# KiCad board OLD_PCB.kicad_pcb (continued)
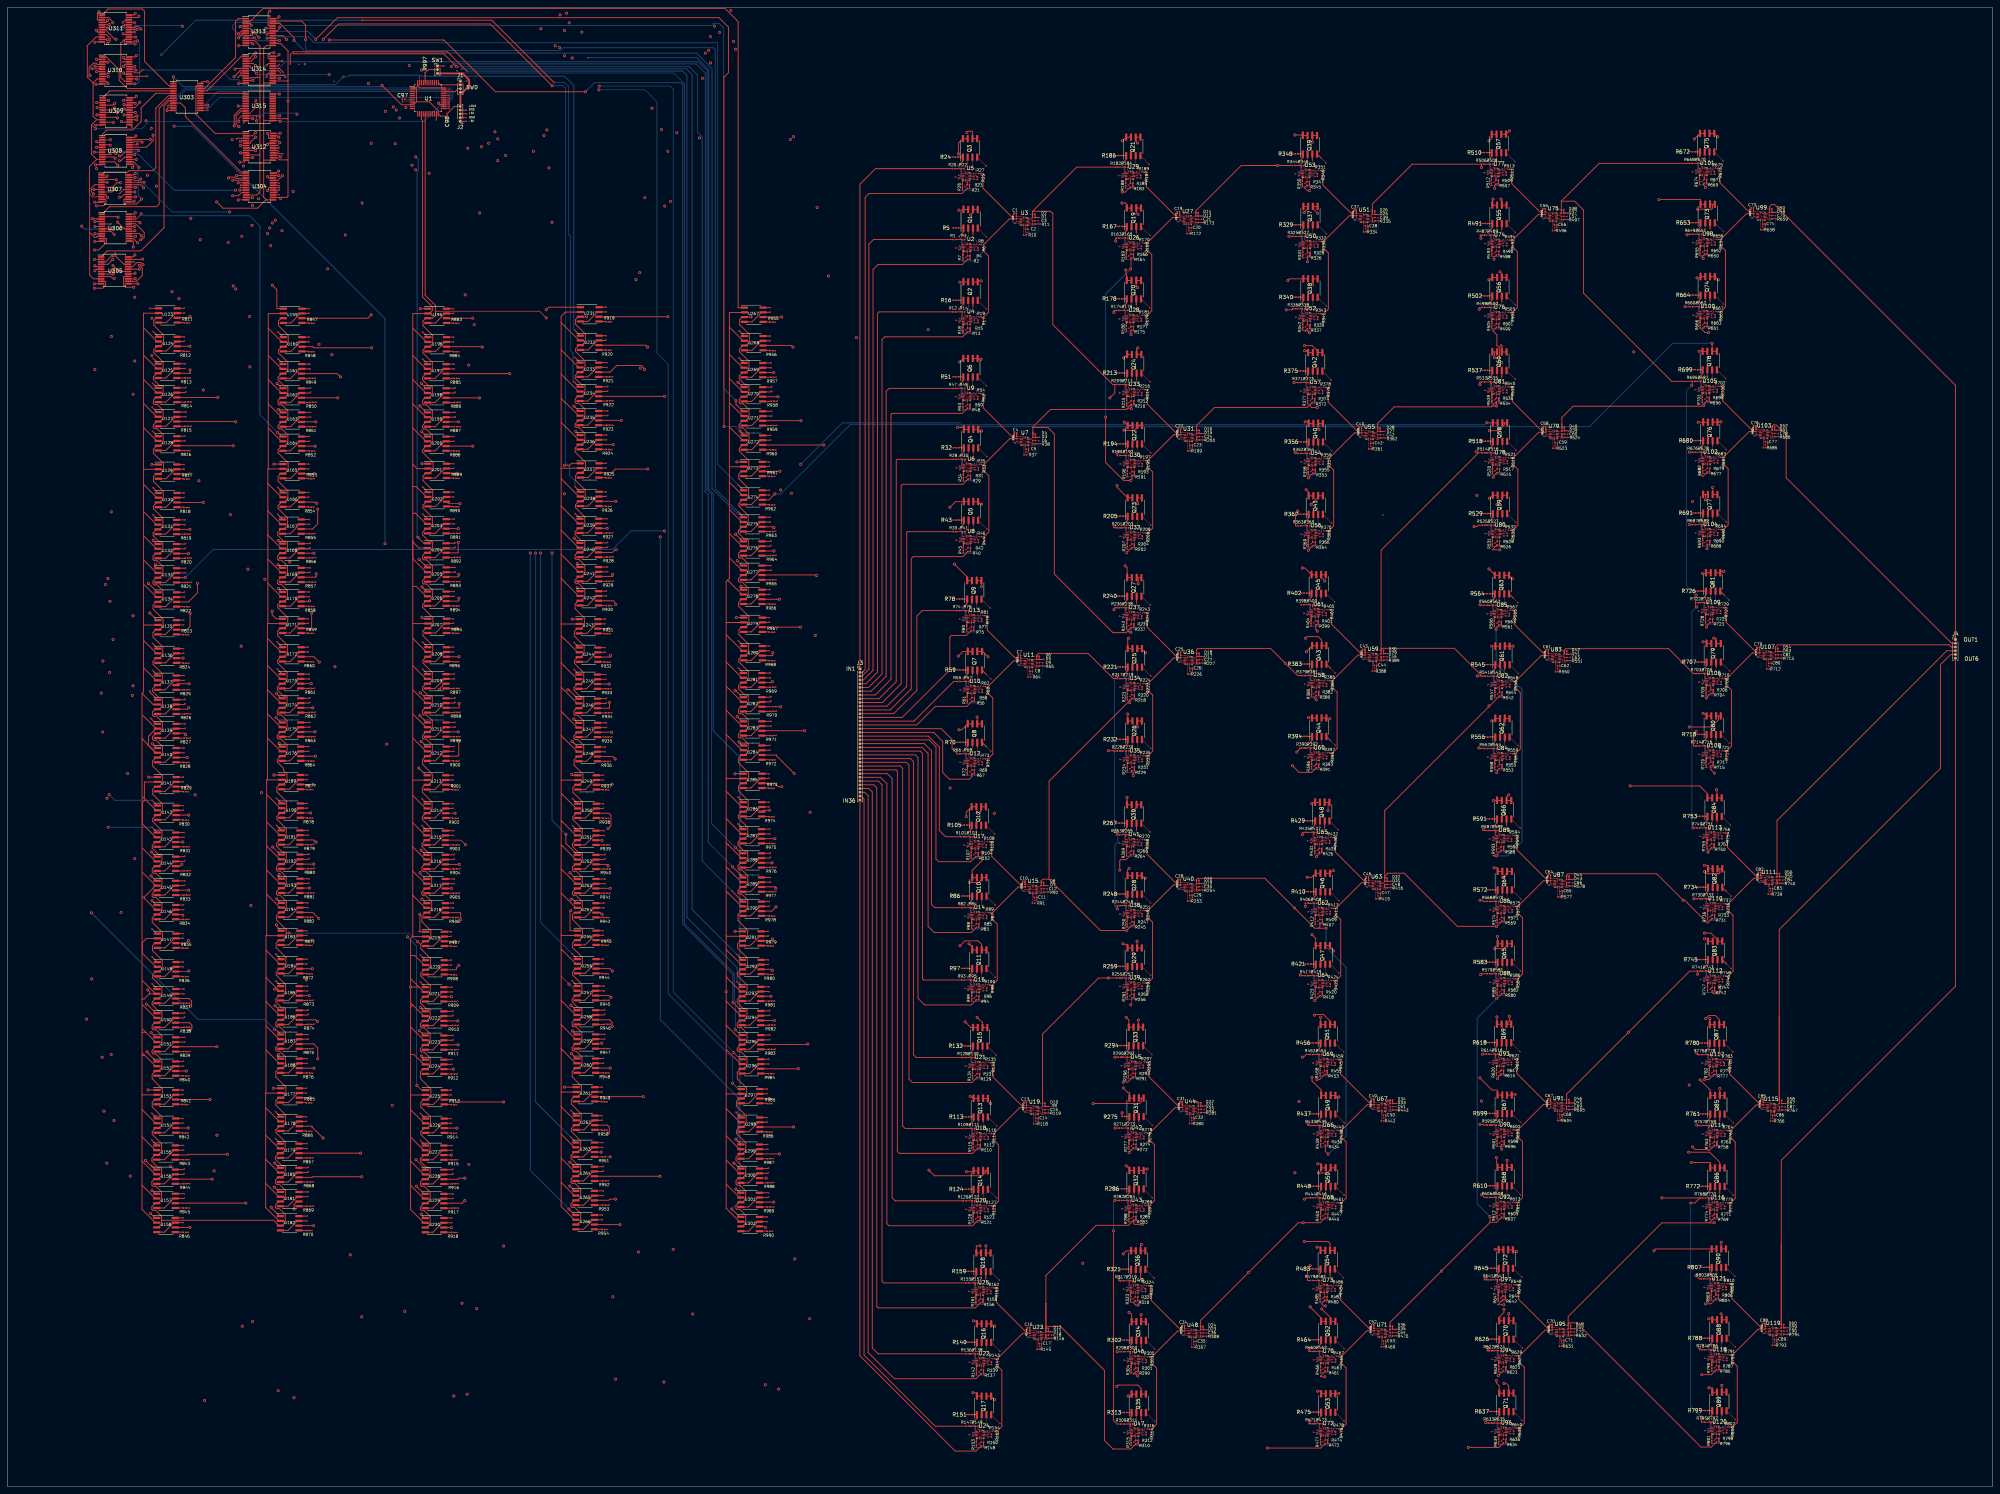
[diagram p0: board, top side]
## Placement (name value [footprint] x y rotation side) (continued)
R689  1k  [R_0201_0603Metric]  452.74 256.9 0 top
R690  1k  [R_0201_0603Metric]  454.19 252.58 180 top
R691  200k  [R_0201_0603Metric]  451.09 260 0 top
R692  200k  [R_0201_0603Metric]  456.63 254.36 90 top
R693  1k  [R_0201_0603Metric]  452.61 252.3 270 top
R694  1k  [R_0201_0603Metric]  457.82 255.56 0 top
R695  1k  [R_0201_0603Metric]  450.15 295.16 0 top
R696  1k  [R_0201_0603Metric]  454.04 289.88 0 top
R697  1k  [R_0201_0603Metric]  452.59 295.16 0 top
R698  1k  [R_0201_0603Metric]  454.04 290.84 180 top
R699  200k  [R_0201_0603Metric]  450.95 298.26 0 top
R700  200k  [R_0201_0603Metric]  456.48 292.62 90 top
R701  1k  [R_0201_0603Metric]  452.47 290.57 270 top
R702  1k  [R_0201_0603Metric]  457.67 293.82 0 top
R703  1k  [R_0201_0603Metric]  451.2 217.11 0 top
R704  1k  [R_0201_0603Metric]  455.1 211.83 0 top
R705  1k  [R_0201_0603Metric]  453.65 217.11 0 top
R706  1k  [R_0201_0603Metric]  455.1 212.79 180 top
R707  200k  [R_0201_0603Metric]  452 220.21 0 top
R708  200k  [R_0201_0603Metric]  457.54 214.57 90 top
R709  1k  [R_0201_0603Metric]  453.52 212.51 270 top
R710  1k  [R_0201_0603Metric]  458.73 215.76 0 top
R711  1k  [R_0201_0603Metric]  467.8 222.94 90 top
R712  1k  [R_0201_0603Metric]  470.06 218.31 0 top
R713  100k  [R_0201_0603Metric]  472.42 221.26 0 top
R714  1k  [R_0201_0603Metric]  451.2 197.79 0 top
R715  1k  [R_0201_0603Metric]  455.09 192.5 0 top
R716  1k  [R_0201_0603Metric]  453.64 197.78 0 top
R717  1k  [R_0201_0603Metric]  455.09 193.47 180 top
R718  200k  [R_0201_0603Metric]  452 200.89 0 top
R719  200k  [R_0201_0603Metric]  457.53 195.24 90 top
R720  1k  [R_0201_0603Metric]  453.52 193.19 270 top
R721  1k  [R_0201_0603Metric]  458.72 196.44 0 top
R722  1k  [R_0201_0603Metric]  451.05 236.05 0 top
R723  1k  [R_0201_0603Metric]  454.95 230.76 0 top
R724  1k  [R_0201_0603Metric]  453.5 236.05 0 top
R725  1k  [R_0201_0603Metric]  454.95 231.73 180 top
R726  200k  [R_0201_0603Metric]  451.85 239.15 0 top
R727  200k  [R_0201_0603Metric]  457.39 233.51 90 top
R728  1k  [R_0201_0603Metric]  453.37 231.45 270 top
R729  1k  [R_0201_0603Metric]  458.58 234.7 0 top
R730  1k  [R_0201_0603Metric]  451.59 156.96 0 top
R731  1k  [R_0201_0603Metric]  455.48 151.68 0 top
R732  1k  [R_0201_0603Metric]  454.03 156.96 0 top
R733  1k  [R_0201_0603Metric]  455.48 152.64 180 top
R734  200k  [R_0201_0603Metric]  452.39 160.06 0 top
R735  200k  [R_0201_0603Metric]  457.92 154.42 90 top
R736  1k  [R_0201_0603Metric]  453.9 152.36 270 top
R737  1k  [R_0201_0603Metric]  459.11 155.61 0 top
R738  1k  [R_0201_0603Metric]  468.18 162.79 90 top
R739  1k  [R_0201_0603Metric]  470.44 158.17 0 top
R740  100k  [R_0201_0603Metric]  472.8 161.11 0 top
R741  1k  [R_0201_0603Metric]  451.58 137.64 0 top
R742  1k  [R_0201_0603Metric]  455.47 132.35 0 top
R743  1k  [R_0201_0603Metric]  454.03 137.64 0 top
R744  1k  [R_0201_0603Metric]  455.47 133.32 180 top
R745  200k  [R_0201_0603Metric]  452.38 140.74 0 top
R746  200k  [R_0201_0603Metric]  457.91 135.1 90 top
R747  1k  [R_0201_0603Metric]  453.9 133.04 270 top
R748  1k  [R_0201_0603Metric]  459.11 136.29 0 top
R749  1k  [R_0201_0603Metric]  451.44 175.9 0 top
R750  1k  [R_0201_0603Metric]  455.33 170.61 0 top
R751  1k  [R_0201_0603Metric]  453.88 175.9 0 top
R752  1k  [R_0201_0603Metric]  455.33 171.58 180 top
R753  200k  [R_0201_0603Metric]  452.24 179 0 top
R754  200k  [R_0201_0603Metric]  457.77 173.36 90 top
R755  1k  [R_0201_0603Metric]  453.76 171.3 270 top
R756  1k  [R_0201_0603Metric]  458.96 174.55 0 top
R757  1k  [R_0201_0603Metric]  452.2 96.4 0 top
R758  1k  [R_0201_0603Metric]  456.09 91.12 0 top
R759  1k  [R_0201_0603Metric]  454.65 96.4 0 top
R760  1k  [R_0201_0603Metric]  456.09 92.08 180 top
R761  200k  [R_0201_0603Metric]  453 99.5 0 top
R762  200k  [R_0201_0603Metric]  458.53 93.86 90 top
R763  1k  [R_0201_0603Metric]  454.52 91.8 270 top
R764  1k  [R_0201_0603Metric]  459.73 95.05 0 top
R765  1k  [R_0201_0603Metric]  468.79 102.23 90 top
R766  1k  [R_0201_0603Metric]  471.05 97.6 0 top
R767  100k  [R_0201_0603Metric]  473.42 100.55 0 top
R768  1k  [R_0201_0603Metric]  452.19 77.08 0 top
R769  1k  [R_0201_0603Metric]  456.09 71.79 0 top
R770  1k  [R_0201_0603Metric]  454.64 77.07 0 top
R771  1k  [R_0201_0603Metric]  456.09 72.76 180 top
R772  200k  [R_0201_0603Metric]  453 80.18 0 top
R773  200k  [R_0201_0603Metric]  458.53 74.53 90 top
R774  1k  [R_0201_0603Metric]  454.51 72.48 270 top
R775  1k  [R_0201_0603Metric]  459.72 75.73 0 top
R776  1k  [R_0201_0603Metric]  452.05 115.34 0 top
R777  1k  [R_0201_0603Metric]  455.94 110.05 0 top
R778  1k  [R_0201_0603Metric]  454.5 115.34 0 top
R779  1k  [R_0201_0603Metric]  455.94 111.02 180 top
R780  200k  [R_0201_0603Metric]  452.85 118.44 0 top
R781  200k  [R_0201_0603Metric]  458.38 112.8 90 top
R782  1k  [R_0201_0603Metric]  454.37 110.74 270 top
R783  1k  [R_0201_0603Metric]  459.58 113.99 0 top
R784  1k  [R_0201_0603Metric]  452.73 36.51 0 top
R785  1k  [R_0201_0603Metric]  456.63 31.23 0 top
R786  1k  [R_0201_0603Metric]  455.18 36.51 0 top
R787  1k  [R_0201_0603Metric]  456.63 32.2 180 top
R788  200k  [R_0201_0603Metric]  453.53 39.61 0 top
R789  200k  [R_0201_0603Metric]  459.07 33.97 90 top
R790  1k  [R_0201_0603Metric]  455.05 31.92 270 top
R791  1k  [R_0201_0603Metric]  460.26 35.17 0 top
R792  1k  [R_0201_0603Metric]  469.33 42.34 90 top
R793  1k  [R_0201_0603Metric]  471.59 37.72 0 top
R794  100k  [R_0201_0603Metric]  473.95 40.67 0 top
R795  1k  [R_0201_0603Metric]  452.73 17.19 0 top
R796  1k  [R_0201_0603Metric]  456.62 11.91 0 top
R797  1k  [R_0201_0603Metric]  455.17 17.19 0 top
R798  1k  [R_0201_0603Metric]  456.62 12.87 180 top
R799  200k  [R_0201_0603Metric]  453.53 20.29 0 top
R800  200k  [R_0201_0603Metric]  459.06 14.65 90 top
R801  1k  [R_0201_0603Metric]  455.05 12.59 270 top
R802  1k  [R_0201_0603Metric]  460.25 15.84 0 top
R803  1k  [R_0201_0603Metric]  452.58 55.45 0 top
R804  1k  [R_0201_0603Metric]  456.48 50.17 0 top
R805  1k  [R_0201_0603Metric]  455.03 55.45 0 top
R806  1k  [R_0201_0603Metric]  456.48 51.13 180 top
R807  200k  [R_0201_0603Metric]  453.38 58.55 0 top
R808  200k  [R_0201_0603Metric]  458.92 52.91 90 top
R809  1k  [R_0201_0603Metric]  454.9 50.85 270 top
R810  1k  [R_0201_0603Metric]  460.11 54.1 0 top
R811  1k  [R_0201_0603Metric]  47.52 310.75 180 top
R812  1k  [R_0201_0603Metric]  47.52 303.16 180 top
R813  1k  [R_0201_0603Metric]  47.73 296.06 180 top
R814  1k  [R_0201_0603Metric]  47.82 289.66 180 top
R815  1k  [R_0201_0603Metric]  47.73 283.16 180 top
R816  1k  [R_0201_0603Metric]  47.62 276.66 180 top
R817  1k  [R_0201_0603Metric]  47.45 269.05 180 top
R818  1k  [R_0201_0603Metric]  47.45 261.45 180 top
R819  1k  [R_0201_0603Metric]  47.65 254.35 180 top
R820  1k  [R_0201_0603Metric]  47.75 247.95 180 top
R821  1k  [R_0201_0603Metric]  47.65 241.45 180 top
R822  1k  [R_0201_0603Metric]  47.55 234.95 180 top
R823  1k  [R_0201_0603Metric]  47.32 227.47 180 top
R824  1k  [R_0201_0603Metric]  47.32 219.87 180 top
R825  1k  [R_0201_0603Metric]  47.52 212.77 180 top
R826  1k  [R_0201_0603Metric]  47.62 206.37 180 top
R827  1k  [R_0201_0603Metric]  47.52 199.87 180 top
R828  1k  [R_0201_0603Metric]  47.42 193.37 180 top
R829  1k  [R_0201_0603Metric]  47.23 185.56 180 top
R830  1k  [R_0201_0603Metric]  47.23 177.96 180 top
R831  1k  [R_0201_0603Metric]  47.42 170.86 180 top
R832  1k  [R_0201_0603Metric]  47.52 164.46 180 top
R833  1k  [R_0201_0603Metric]  47.42 157.96 180 top
R834  1k  [R_0201_0603Metric]  47.32 151.46 180 top
R835  1k  [R_0201_0603Metric]  47.2 143.76 180 top
R836  1k  [R_0201_0603Metric]  47.2 136.16 180 top
R837  1k  [R_0201_0603Metric]  47.4 129.06 180 top
R838  1k  [R_0201_0603Metric]  47.5 122.66 180 top
R839  1k  [R_0201_0603Metric]  47.4 116.16 180 top
R840  1k  [R_0201_0603Metric]  47.3 109.66 180 top
R841  1k  [R_0201_0603Metric]  47.12 101.99 180 top
R842  1k  [R_0201_0603Metric]  47.12 94.39 180 top
R843  1k  [R_0201_0603Metric]  47.32 87.29 180 top
R844  1k  [R_0201_0603Metric]  47.42 80.89 180 top
R845  1k  [R_0201_0603Metric]  47.32 74.39 180 top
R846  1k  [R_0201_0603Metric]  47.22 67.89 180 top
R847  1k  [R_0201_0603Metric]  80.83 310.66 180 top
R848  1k  [R_0201_0603Metric]  80.83 303.06 180 top
R849  1k  [R_0201_0603Metric]  81.03 295.96 180 top
R850  1k  [R_0201_0603Metric]  81.12 289.56 180 top
R851  1k  [R_0201_0603Metric]  81.03 283.06 180 top
R852  1k  [R_0201_0603Metric]  80.93 276.56 180 top
R853  1k  [R_0201_0603Metric]  80.73 269.16 180 top
R854  1k  [R_0201_0603Metric]  80.73 261.56 180 top
R855  1k  [R_0201_0603Metric]  80.93 254.46 180 top
R856  1k  [R_0201_0603Metric]  81.03 248.06 180 top
R857  1k  [R_0201_0603Metric]  80.93 241.56 180 top
R858  1k  [R_0201_0603Metric]  80.83 235.06 180 top
R859  1k  [R_0201_0603Metric]  80.62 227.85 180 top
R860  1k  [R_0201_0603Metric]  80.62 220.25 180 top
R861  1k  [R_0201_0603Metric]  80.82 213.15 180 top
R862  1k  [R_0201_0603Metric]  80.92 206.75 180 top
R863  1k  [R_0201_0603Metric]  80.82 200.25 180 top
R864  1k  [R_0201_0603Metric]  80.72 193.75 180 top
R865  1k  [R_0201_0603Metric]  80.14 102.46 180 top
R866  1k  [R_0201_0603Metric]  80.14 94.86 180 top
R867  1k  [R_0201_0603Metric]  80.34 87.76 180 top
R868  1k  [R_0201_0603Metric]  80.44 81.36 180 top
R869  1k  [R_0201_0603Metric]  80.34 74.86 180 top
R870  1k  [R_0201_0603Metric]  80.24 68.36 180 top
R871  1k  [R_0201_0603Metric]  80.23 144.52 180 top
R872  1k  [R_0201_0603Metric]  80.23 136.92 180 top
R873  1k  [R_0201_0603Metric]  80.43 129.82 180 top
R874  1k  [R_0201_0603Metric]  80.53 123.42 180 top
R875  1k  [R_0201_0603Metric]  80.43 116.92 180 top
R876  1k  [R_0201_0603Metric]  80.33 110.42 180 top
R877  1k  [R_0201_0603Metric]  80.4 186.12 180 top
R878  1k  [R_0201_0603Metric]  80.4 178.52 180 top
R879  1k  [R_0201_0603Metric]  80.6 171.42 180 top
R880  1k  [R_0201_0603Metric]  80.7 165.02 180 top
R881  1k  [R_0201_0603Metric]  80.6 158.52 180 top
R882  1k  [R_0201_0603Metric]  80.5 152.02 180 top
R883  1k  [R_0201_0603Metric]  119.41 310.65 180 top
R884  1k  [R_0201_0603Metric]  119.41 303.05 180 top
R885  1k  [R_0201_0603Metric]  119.61 295.95 180 top
R886  1k  [R_0201_0603Metric]  119.71 289.55 180 top
R887  1k  [R_0201_0603Metric]  119.61 283.05 180 top
R888  1k  [R_0201_0603Metric]  119.51 276.55 180 top
R889  1k  [R_0201_0603Metric]  119.43 269.25 180 top
R890  1k  [R_0201_0603Metric]  119.43 261.66 180 top
R891  1k  [R_0201_0603Metric]  119.62 254.56 180 top
R892  1k  [R_0201_0603Metric]  119.72 248.16 180 top
R893  1k  [R_0201_0603Metric]  119.62 241.66 180 top
R894  1k  [R_0201_0603Metric]  119.53 235.16 180 top
R895  1k  [R_0201_0603Metric]  119.4 227.85 180 top
R896  1k  [R_0201_0603Metric]  119.4 220.25 180 top
R897  1k  [R_0201_0603Metric]  119.6 213.15 180 top
R898  1k  [R_0201_0603Metric]  119.7 206.75 180 top
R899  1k  [R_0201_0603Metric]  119.6 200.25 180 top
R900  1k  [R_0201_0603Metric]  119.5 193.75 180 top
R901  1k  [R_0201_0603Metric]  119.23 186.05 180 top
R902  1k  [R_0201_0603Metric]  119.23 178.45 180 top
R903  1k  [R_0201_0603Metric]  119.43 171.35 180 top
R904  1k  [R_0201_0603Metric]  119.53 164.95 180 top
R905  1k  [R_0201_0603Metric]  119.43 158.45 180 top
R906  1k  [R_0201_0603Metric]  119.33 151.95 180 top
R907  1k  [R_0201_0603Metric]  118.83 144.25 180 top
R908  1k  [R_0201_0603Metric]  118.83 136.65 180 top
R909  1k  [R_0201_0603Metric]  119.03 129.55 180 top
R910  1k  [R_0201_0603Metric]  119.13 123.15 180 top
R911  1k  [R_0201_0603Metric]  119.03 116.65 180 top
R912  1k  [R_0201_0603Metric]  118.93 110.15 180 top
R913  1k  [R_0201_0603Metric]  118.83 101.96 180 top
R914  1k  [R_0201_0603Metric]  118.83 94.36 180 top
R915  1k  [R_0201_0603Metric]  119.03 87.25 180 top
R916  1k  [R_0201_0603Metric]  119.12 80.86 180 top
R917  1k  [R_0201_0603Metric]  119.03 74.36 180 top
R918  1k  [R_0201_0603Metric]  118.93 67.86 180 top
R919  1k  [R_0201_0603Metric]  160.15 311.05 180 top
R920  1k  [R_0201_0603Metric]  160.15 303.45 180 top
R921  1k  [R_0201_0603Metric]  160.35 296.35 180 top
R922  1k  [R_0201_0603Metric]  160.45 289.95 180 top
R923  1k  [R_0201_0603Metric]  160.35 283.45 180 top
R924  1k  [R_0201_0603Metric]  160.25 276.95 180 top
R925  1k  [R_0201_0603Metric]  160.12 269.36 180 top
R926  1k  [R_0201_0603Metric]  160.12 261.75 180 top
R927  1k  [R_0201_0603Metric]  160.33 254.66 180 top
R928  1k  [R_0201_0603Metric]  160.43 248.26 180 top
R929  1k  [R_0201_0603Metric]  160.33 241.76 180 top
R930  1k  [R_0201_0603Metric]  160.22 235.26 180 top
R931  1k  [R_0201_0603Metric]  159.83 227.75 180 top
R932  1k  [R_0201_0603Metric]  159.83 220.15 180 top
R933  1k  [R_0201_0603Metric]  160.03 213.05 180 top
R934  1k  [R_0201_0603Metric]  160.13 206.65 180 top
R935  1k  [R_0201_0603Metric]  160.03 200.15 180 top
R936  1k  [R_0201_0603Metric]  159.93 193.65 180 top
R937  1k  [R_0201_0603Metric]  159.43 186.05 180 top
R938  1k  [R_0201_0603Metric]  159.43 178.45 180 top
R939  1k  [R_0201_0603Metric]  159.63 171.35 180 top
R940  1k  [R_0201_0603Metric]  159.73 164.95 180 top
R941  1k  [R_0201_0603Metric]  159.63 158.45 180 top
R942  1k  [R_0201_0603Metric]  159.53 151.95 180 top
R943  1k  [R_0201_0603Metric]  159.35 144.55 180 top
R944  1k  [R_0201_0603Metric]  159.35 136.95 180 top
R945  1k  [R_0201_0603Metric]  159.55 129.85 180 top
R946  1k  [R_0201_0603Metric]  159.65 123.45 180 top
R947  1k  [R_0201_0603Metric]  159.55 116.95 180 top
R948  1k  [R_0201_0603Metric]  159.45 110.45 180 top
R949  1k  [R_0201_0603Metric]  159.03 102.75 180 top
R950  1k  [R_0201_0603Metric]  159.03 95.15 180 top
R951  1k  [R_0201_0603Metric]  159.23 88.05 180 top
R952  1k  [R_0201_0603Metric]  159.33 81.65 180 top
R953  1k  [R_0201_0603Metric]  159.23 75.15 180 top
R954  1k  [R_0201_0603Metric]  159.13 68.65 180 top
R955  1k  [R_0201_0603Metric]  203.95 310.95 180 top
R956  1k  [R_0201_0603Metric]  203.95 303.35 180 top
R957  1k  [R_0201_0603Metric]  204.15 296.25 180 top
R958  1k  [R_0201_0603Metric]  204.25 289.85 180 top
R959  1k  [R_0201_0603Metric]  204.15 283.35 180 top
R960  1k  [R_0201_0603Metric]  204.05 276.85 180 top
R961  1k  [R_0201_0603Metric]  203.75 269.75 180 top
R962  1k  [R_0201_0603Metric]  203.75 262.15 180 top
R963  1k  [R_0201_0603Metric]  203.95 255.05 180 top
R964  1k  [R_0201_0603Metric]  204.05 248.65 180 top
R965  1k  [R_0201_0603Metric]  203.95 242.15 180 top
R966  1k  [R_0201_0603Metric]  203.85 235.65 180 top
R967  1k  [R_0201_0603Metric]  203.75 228.15 180 top
R968  1k  [R_0201_0603Metric]  203.75 220.55 180 top
R969  1k  [R_0201_0603Metric]  203.95 213.45 180 top
R970  1k  [R_0201_0603Metric]  204.05 207.05 180 top
R971  1k  [R_0201_0603Metric]  203.95 200.55 180 top
R972  1k  [R_0201_0603Metric]  203.85 194.05 180 top
R973  1k  [R_0201_0603Metric]  203.62 186.46 180 top
R974  1k  [R_0201_0603Metric]  203.62 178.86 180 top
R975  1k  [R_0201_0603Metric]  203.83 171.76 180 top
R976  1k  [R_0201_0603Metric]  203.93 165.36 180 top
R977  1k  [R_0201_0603Metric]  203.83 158.86 180 top
R978  1k  [R_0201_0603Metric]  203.72 152.36 180 top
R979  1k  [R_0201_0603Metric]  203.43 144.36 180 top
R980  1k  [R_0201_0603Metric]  203.43 136.75 180 top
R981  1k  [R_0201_0603Metric]  203.62 129.66 180 top
R982  1k  [R_0201_0603Metric]  203.72 123.25 180 top
R983  1k  [R_0201_0603Metric]  203.62 116.75 180 top
R984  1k  [R_0201_0603Metric]  203.53 110.25 180 top
R985  1k  [R_0201_0603Metric]  203.09 102.25 180 top
R986  1k  [R_0201_0603Metric]  203.09 94.65 180 top
R987  1k  [R_0201_0603Metric]  203.29 87.55 180 top
R988  1k  [R_0201_0603Metric]  203.39 81.15 180 top
R989  1k  [R_0201_0603Metric]  203.29 74.65 180 top
R990  1k  [R_0201_0603Metric]  203.19 68.15 180 top
R997  100k  [R_0201_0603Metric]  111.5 377.2 90 top
SW1  SW_SPDT  [PinHeader_1x03_P1.00mm_Vertical]  114.8 379.4 0 top
U1  STM32F030CCTx  [LQFP-48_7x7mm_P0.5mm]  112.27 370.76 0 top
U2  TLV9004xRUCR  [Texas_S-PX2QFN-14]  256.16 330.87 0 top
U3  TLV9004xRUCR  [Texas_S-PX2QFN-14]  271.5 337.86 0 top
U4  TLV9004xRUCR  [Texas_S-PX2QFN-14]  256.15 311.54 0 top
U5  TLV9004xRUCR  [Texas_S-PX2QFN-14]  256.01 349.8 0 top
U6  TLV9004xRUCR  [Texas_S-PX2QFN-14]  256.26 272.17 0 top
U7  TLV9004xRUCR  [Texas_S-PX2QFN-14]  271.6 279.16 0 top
U8  TLV9004xRUCR  [Texas_S-PX2QFN-14]  256.25 252.84 0 top
U9  TLV9004xRUCR  [Texas_S-PX2QFN-14]  256.11 291.1 0 top
U10  TLV9004xRUCR  [Texas_S-PX2QFN-14]  257.3 212.83 0 top
U11  TLV9004xRUCR  [Texas_S-PX2QFN-14]  272.64 219.83 0 top
U12  TLV9004xRUCR  [Texas_S-PX2QFN-14]  257.3 193.51 0 top
U13  TLV9004xRUCR  [Texas_S-PX2QFN-14]  257.15 231.77 0 top
U14  TLV9004xRUCR  [Texas_S-PX2QFN-14]  258.49 152.44 0 top
U15  TLV9004xRUCR  [Texas_S-PX2QFN-14]  273.83 159.44 0 top
U16  TLV9004xRUCR  [Texas_S-PX2QFN-14]  258.49 133.12 0 top
U17  TLV9004xRUCR  [Texas_S-PX2QFN-14]  258.34 171.38 0 top
U18  TLV9004xRUCR  [Texas_S-PX2QFN-14]  258.86 93.47 0 top
U19  TLV9004xRUCR  [Texas_S-PX2QFN-14]  274.2 100.46 0 top
U20  TLV9004xRUCR  [Texas_S-PX2QFN-14]  258.85 74.14 0 top
U21  TLV9004xRUCR  [Texas_S-PX2QFN-14]  258.71 112.4 0 top
U22  TLV9004xRUCR  [Texas_S-PX2QFN-14]  259.74 33.28 0 top
U23  TLV9004xRUCR  [Texas_S-PX2QFN-14]  275.08 40.28 0 top
U24  TLV9004xRUCR  [Texas_S-PX2QFN-14]  259.74 13.95 0 top
U25  TLV9004xRUCR  [Texas_S-PX2QFN-14]  259.59 52.22 0 top
U26  TLV9004xRUCR  [Texas_S-PX2QFN-14]  299.76 331.27 0 top
U27  TLV9004xRUCR  [Texas_S-PX2QFN-14]  315.1 338.26 0 top
U28  TLV9004xRUCR  [Texas_S-PX2QFN-14]  299.75 311.94 0 top
U29  TLV9004xRUCR  [Texas_S-PX2QFN-14]  299.61 350.2 0 top
U30  TLV9004xRUCR  [Texas_S-PX2QFN-14]  300.01 273.2 0 top
U31  TLV9004xRUCR  [Texas_S-PX2QFN-14]  315.35 280.2 0 top
U32  TLV9004xRUCR  [Texas_S-PX2QFN-14]  300 253.88 0 top
U33  TLV9004xRUCR  [Texas_S-PX2QFN-14]  299.86 292.14 0 top
U34  TLV9004xRUCR  [Texas_S-PX2QFN-14]  300.01 213.6 0 top
U35  TLV9004xRUCR  [Texas_S-PX2QFN-14]  300 194.28 0 top
U36  TLV9004xRUCR  [Texas_S-PX2QFN-14]  315.35 220.6 0 top
U37  TLV9004xRUCR  [Texas_S-PX2QFN-14]  299.86 232.54 0 top
U38  TLV9004xRUCR  [Texas_S-PX2QFN-14]  299.97 152.98 0 top
U39  TLV9004xRUCR  [Texas_S-PX2QFN-14]  299.97 133.65 0 top
U40  TLV9004xRUCR  [Texas_S-PX2QFN-14]  315.31 159.98 0 top
U41  TLV9004xRUCR  [Texas_S-PX2QFN-14]  299.82 171.92 0 top
U42  TLV9004xRUCR  [Texas_S-PX2QFN-14]  300.46 93.57 0 top
U43  TLV9004xRUCR  [Texas_S-PX2QFN-14]  300.45 74.24 0 top
U44  TLV9004xRUCR  [Texas_S-PX2QFN-14]  315.8 100.56 0 top
U45  TLV9004xRUCR  [Texas_S-PX2QFN-14]  300.31 112.5 0 top
U46  TLV9004xRUCR  [Texas_S-PX2QFN-14]  301.06 33.84 0 top
U47  TLV9004xRUCR  [Texas_S-PX2QFN-14]  301.05 14.52 0 top
U48  TLV9004xRUCR  [Texas_S-PX2QFN-14]  316.4 40.84 0 top
U49  TLV9004xRUCR  [Texas_S-PX2QFN-14]  300.91 52.78 0 top
U50  TLV9004xRUCR  [Texas_S-PX2QFN-14]  346.91 331.7 0 top
U51  TLV9004xRUCR  [Texas_S-PX2QFN-14]  362.25 338.7 0 top
U52  TLV9004xRUCR  [Texas_S-PX2QFN-14]  346.9 312.38 0 top
U53  TLV9004xRUCR  [Texas_S-PX2QFN-14]  346.76 350.64 0 top
U54  TLV9004xRUCR  [Texas_S-PX2QFN-14]  348.32 273.74 0 top
U55  TLV9004xRUCR  [Texas_S-PX2QFN-14]  363.66 280.74 0 top
U56  TLV9004xRUCR  [Texas_S-PX2QFN-14]  348.32 254.42 0 top
U57  TLV9004xRUCR  [Texas_S-PX2QFN-14]  348.17 292.68 0 top
U58  TLV9004xRUCR  [Texas_S-PX2QFN-14]  349.25 214.4 0 top
U59  TLV9004xRUCR  [Texas_S-PX2QFN-14]  364.59 221.4 0 top
U60  TLV9004xRUCR  [Texas_S-PX2QFN-14]  349.24 195.08 0 top
U61  TLV9004xRUCR  [Texas_S-PX2QFN-14]  349.1 233.34 0 top
U62  TLV9004xRUCR  [Texas_S-PX2QFN-14]  350.21 153.6 0 top
U63  TLV9004xRUCR  [Texas_S-PX2QFN-14]  365.55 160.6 0 top
U64  TLV9004xRUCR  [Texas_S-PX2QFN-14]  350.2 134.28 0 top
U65  TLV9004xRUCR  [Texas_S-PX2QFN-14]  350.06 172.54 0 top
U66  TLV9004xRUCR  [Texas_S-PX2QFN-14]  351.66 94.27 0 top
U67  TLV9004xRUCR  [Texas_S-PX2QFN-14]  367 101.26 0 top
U68  TLV9004xRUCR  [Texas_S-PX2QFN-14]  351.65 74.94 0 top
U69  TLV9004xRUCR  [Texas_S-PX2QFN-14]  351.51 113.2 0 top
U70  TLV9004xRUCR  [Texas_S-PX2QFN-14]  351.64 33.93 0 top
U71  TLV9004xRUCR  [Texas_S-PX2QFN-14]  366.98 40.93 0 top
U72  TLV9004xRUCR  [Texas_S-PX2QFN-14]  351.64 14.61 0 top
U73  TLV9004xRUCR  [Texas_S-PX2QFN-14]  351.5 52.87 0 top
U74  TLV9004xRUCR  [Texas_S-PX2QFN-14]  397.36 332.05 0 top
U75  TLV9004xRUCR  [Texas_S-PX2QFN-14]  412.7 339.05 0 top
U76  TLV9004xRUCR  [Texas_S-PX2QFN-14]  397.36 312.72 0 top
U77  TLV9004xRUCR  [Texas_S-PX2QFN-14]  397.21 350.99 0 top
U78  TLV9004xRUCR  [Texas_S-PX2QFN-14]  397.51 273.9 0 top
U79  TLV9004xRUCR  [Texas_S-PX2QFN-14]  412.85 280.9 0 top
U80  TLV9004xRUCR  [Texas_S-PX2QFN-14]  397.5 254.58 0 top
U81  TLV9004xRUCR  [Texas_S-PX2QFN-14]  397.36 292.84 0 top
U82  TLV9004xRUCR  [Texas_S-PX2QFN-14]  398.16 214.25 0 top
U83  TLV9004xRUCR  [Texas_S-PX2QFN-14]  413.5 221.25 0 top
U84  TLV9004xRUCR  [Texas_S-PX2QFN-14]  398.16 194.92 0 top
U85  TLV9004xRUCR  [Texas_S-PX2QFN-14]  398.01 233.19 0 top
U86  TLV9004xRUCR  [Texas_S-PX2QFN-14]  398.77 154.1 0 top
U87  TLV9004xRUCR  [Texas_S-PX2QFN-14]  414.11 161.1 0 top
U88  TLV9004xRUCR  [Texas_S-PX2QFN-14]  398.76 134.78 0 top
U89  TLV9004xRUCR  [Texas_S-PX2QFN-14]  398.62 173.04 0 top
U90  TLV9004xRUCR  [Texas_S-PX2QFN-14]  398.74 94.38 0 top
U91  TLV9004xRUCR  [Texas_S-PX2QFN-14]  414.08 101.38 0 top
U92  TLV9004xRUCR  [Texas_S-PX2QFN-14]  398.74 75.05 0 top
U93  TLV9004xRUCR  [Texas_S-PX2QFN-14]  398.59 113.31 0 top
U94  TLV9004xRUCR  [Texas_S-PX2QFN-14]  399.21 34.1 0 top
U95  TLV9004xRUCR  [Texas_S-PX2QFN-14]  414.55 41.1 0 top
U96  TLV9004xRUCR  [Texas_S-PX2QFN-14]  399.2 14.78 0 top
U97  TLV9004xRUCR  [Texas_S-PX2QFN-14]  399.06 53.04 0 top
U98  TLV9004xRUCR  [Texas_S-PX2QFN-14]  452.96 332.27 0 top
U99  TLV9004xRUCR  [Texas_S-PX2QFN-14]  468.3 339.26 0 top
U100  TLV9004xRUCR  [Texas_S-PX2QFN-14]  452.95 312.94 0 top
U101  TLV9004xRUCR  [Texas_S-PX2QFN-14]  452.81 351.2 0 top
U102  TLV9004xRUCR  [Texas_S-PX2QFN-14]  453.66 274.07 0 top
U103  TLV9004xRUCR  [Texas_S-PX2QFN-14]  469 281.06 0 top
U104  TLV9004xRUCR  [Texas_S-PX2QFN-14]  453.65 254.74 0 top
U105  TLV9004xRUCR  [Texas_S-PX2QFN-14]  453.51 293 0 top
U106  TLV9004xRUCR  [Texas_S-PX2QFN-14]  454.56 214.95 0 top
U107  TLV9004xRUCR  [Texas_S-PX2QFN-14]  469.9 221.95 0 top
U108  TLV9004xRUCR  [Texas_S-PX2QFN-14]  454.56 195.63 0 top
U109  TLV9004xRUCR  [Texas_S-PX2QFN-14]  454.41 233.89 0 top
U110  TLV9004xRUCR  [Texas_S-PX2QFN-14]  454.95 154.8 0 top
U111  TLV9004xRUCR  [Texas_S-PX2QFN-14]  470.29 161.8 0 top
U112  TLV9004xRUCR  [Texas_S-PX2QFN-14]  454.94 135.48 0 top
U113  TLV9004xRUCR  [Texas_S-PX2QFN-14]  454.8 173.74 0 top
U114  TLV9004xRUCR  [Texas_S-PX2QFN-14]  455.56 94.24 0 top
U115  TLV9004xRUCR  [Texas_S-PX2QFN-14]  470.9 101.24 0 top
U116  TLV9004xRUCR  [Texas_S-PX2QFN-14]  455.55 74.92 0 top
U117  TLV9004xRUCR  [Texas_S-PX2QFN-14]  455.41 113.18 0 top
U118  TLV9004xRUCR  [Texas_S-PX2QFN-14]  456.09 34.35 0 top
U119  TLV9004xRUCR  [Texas_S-PX2QFN-14]  471.43 41.35 0 top
U120  TLV9004xRUCR  [Texas_S-PX2QFN-14]  456.09 15.03 0 top
U121  TLV9004xRUCR  [Texas_S-PX2QFN-14]  455.94 53.29 0 top
U123  MCP41050  [SOIC-8_3.9x4.9mm_P1.27mm]  42.82 312.75 0 top
U124  MCP41050  [SOIC-8_3.9x4.9mm_P1.27mm]  42.82 305.16 0 top
U125  MCP41050  [SOIC-8_3.9x4.9mm_P1.27mm]  42.73 297.96 0 top
U126  MCP41050  [SOIC-8_3.9x4.9mm_P1.27mm]  42.73 291.5 0 top
U127  MCP41050  [SOIC-8_3.9x4.9mm_P1.27mm]  42.73 285.06 0 top
U128  MCP41050  [SOIC-8_3.9x4.9mm_P1.27mm]  42.73 278.61 0 top
U129  MCP41050  [SOIC-8_3.9x4.9mm_P1.27mm]  42.75 271.05 0 top
U130  MCP41050  [SOIC-8_3.9x4.9mm_P1.27mm]  42.75 263.45 0 top
U131  MCP41050  [SOIC-8_3.9x4.9mm_P1.27mm]  42.65 256.25 0 top
U132  MCP41050  [SOIC-8_3.9x4.9mm_P1.27mm]  42.65 249.8 0 top
U133  MCP41050  [SOIC-8_3.9x4.9mm_P1.27mm]  42.65 243.35 0 top
U134  MCP41050  [SOIC-8_3.9x4.9mm_P1.27mm]  42.65 236.9 0 top
U135  MCP41050  [SOIC-8_3.9x4.9mm_P1.27mm]  42.62 229.47 0 top
U136  MCP41050  [SOIC-8_3.9x4.9mm_P1.27mm]  42.62 221.87 0 top
U137  MCP41050  [SOIC-8_3.9x4.9mm_P1.27mm]  42.52 214.67 0 top
U138  MCP41050  [SOIC-8_3.9x4.9mm_P1.27mm]  42.52 208.22 0 top
U139  MCP41050  [SOIC-8_3.9x4.9mm_P1.27mm]  42.52 201.77 0 top
U140  MCP41050  [SOIC-8_3.9x4.9mm_P1.27mm]  42.52 195.32 0 top
U141  MCP41050  [SOIC-8_3.9x4.9mm_P1.27mm]  42.52 187.56 0 top
U142  MCP41050  [SOIC-8_3.9x4.9mm_P1.27mm]  42.52 179.96 0 top
U143  MCP41050  [SOIC-8_3.9x4.9mm_P1.27mm]  42.42 172.76 0 top
U144  MCP41050  [SOIC-8_3.9x4.9mm_P1.27mm]  42.42 166.31 0 top
U145  MCP41050  [SOIC-8_3.9x4.9mm_P1.27mm]  42.42 159.86 0 top
U146  MCP41050  [SOIC-8_3.9x4.9mm_P1.27mm]  42.42 153.41 0 top
U147  MCP41050  [SOIC-8_3.9x4.9mm_P1.27mm]  42.5 145.76 0 top
U148  MCP41050  [SOIC-8_3.9x4.9mm_P1.27mm]  42.5 138.16 0 top
U149  MCP41050  [SOIC-8_3.9x4.9mm_P1.27mm]  42.4 130.96 0 top
U150  MCP41050  [SOIC-8_3.9x4.9mm_P1.27mm]  42.4 124.51 0 top
U151  MCP41050  [SOIC-8_3.9x4.9mm_P1.27mm]  42.4 118.06 0 top
U152  MCP41050  [SOIC-8_3.9x4.9mm_P1.27mm]  42.4 111.61 0 top
U153  MCP41050  [SOIC-8_3.9x4.9mm_P1.27mm]  42.42 103.99 0 top